# Altium PCB AGRSHUB_PCBV1.1.PcbDoc (part 1 of 2)
Units mm, origin at the board's own origin, x right, y up, seen from the top; angles counter-clockwise.
Board outline 111.76 x 87.63 mm, 2 copper layers (Top Layer, Bottom Layer); 174 components, 133 nets, 585 pads, 133 vias.
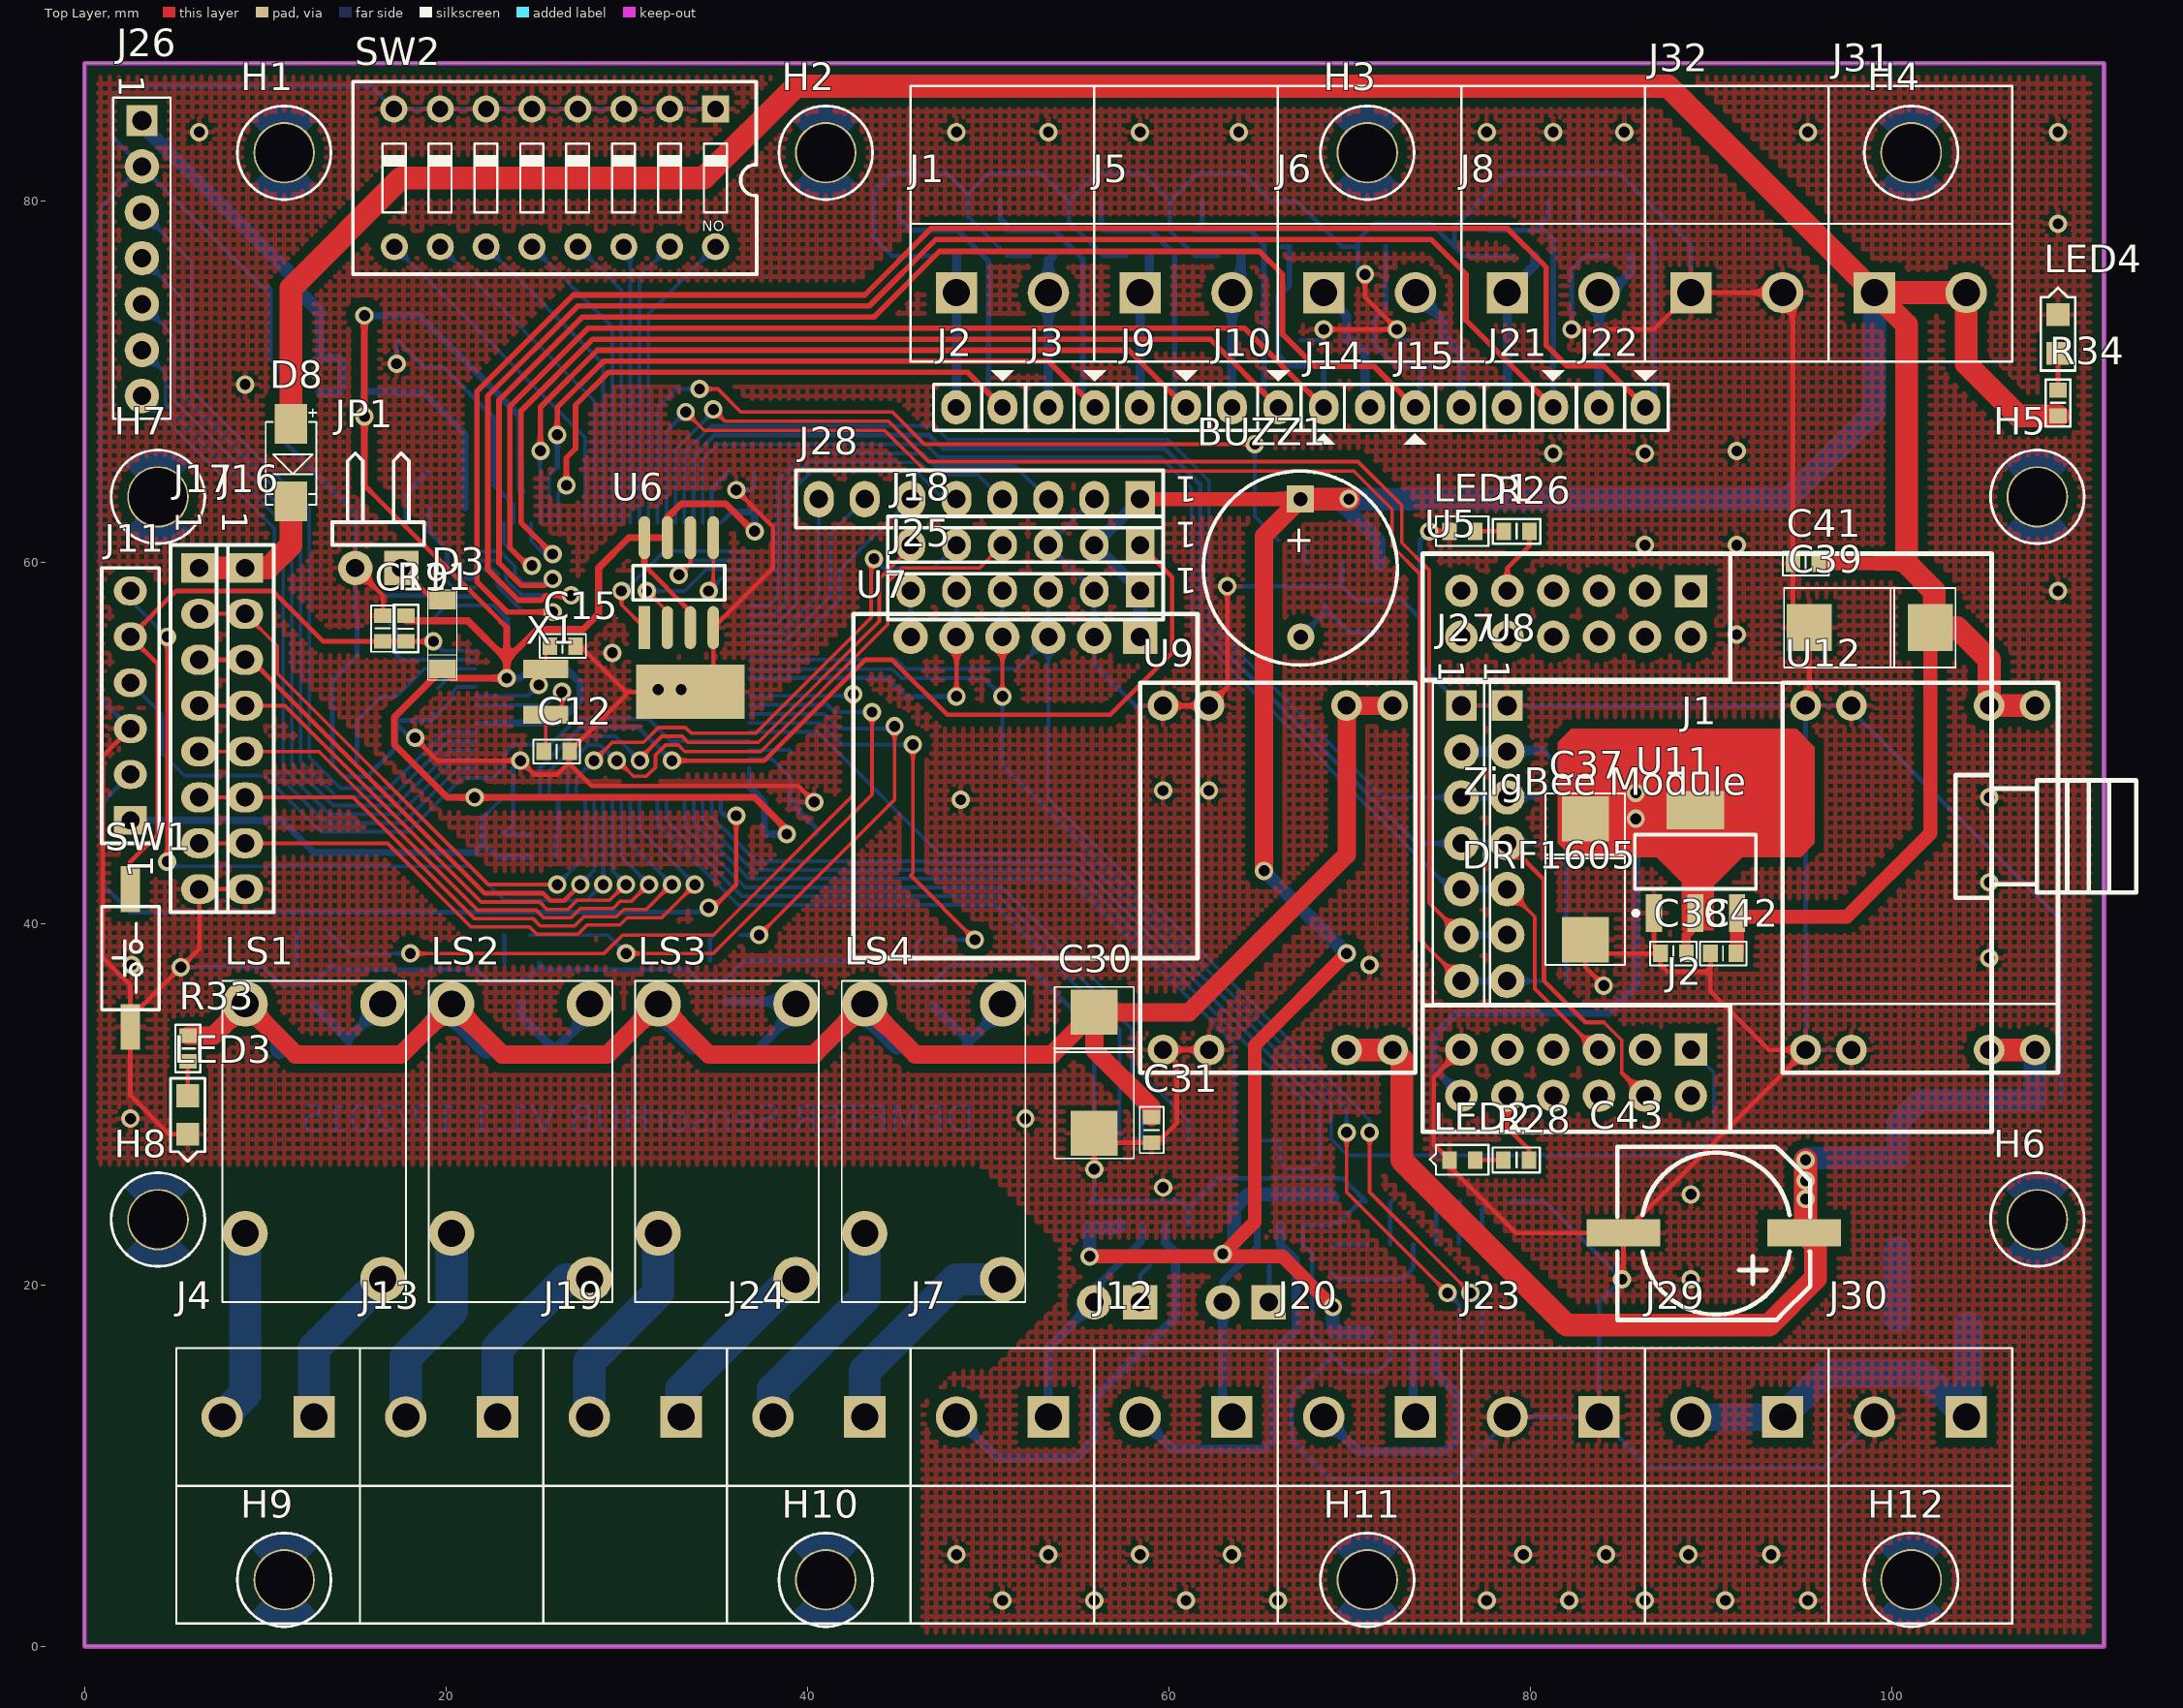
[diagram p0: Top Layer view]
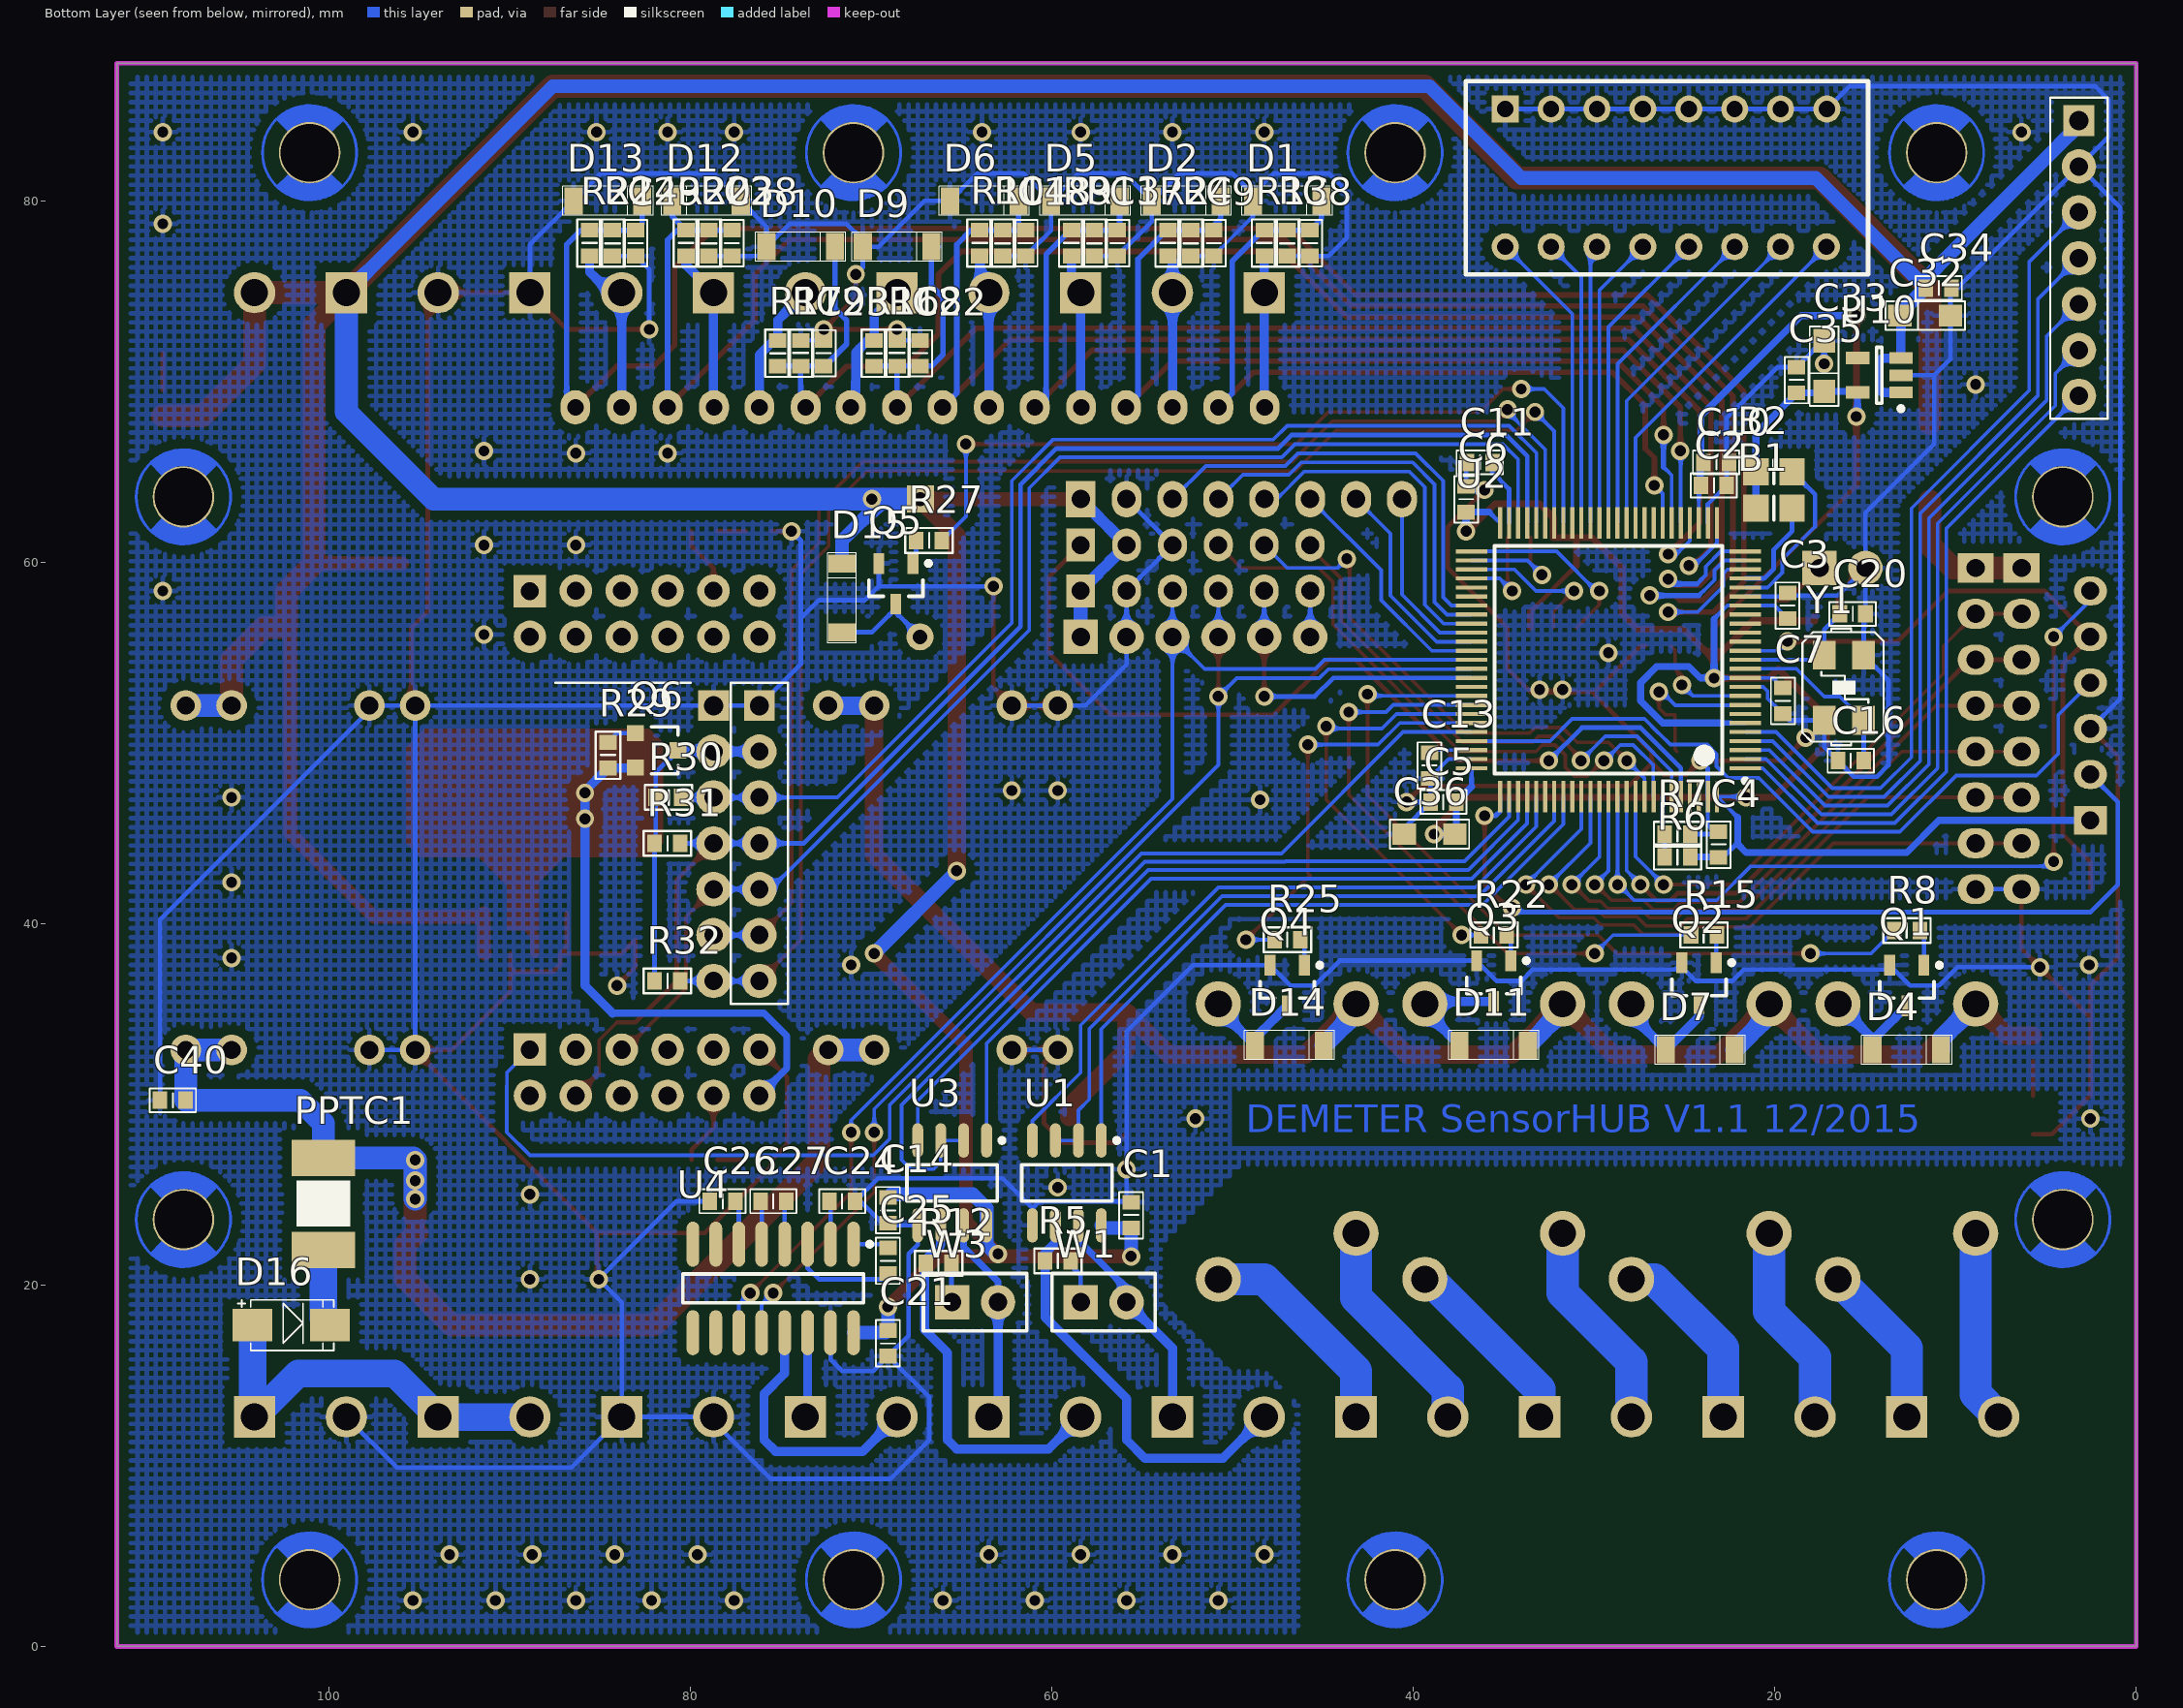
[diagram p1: Bottom Layer view, seen from below]
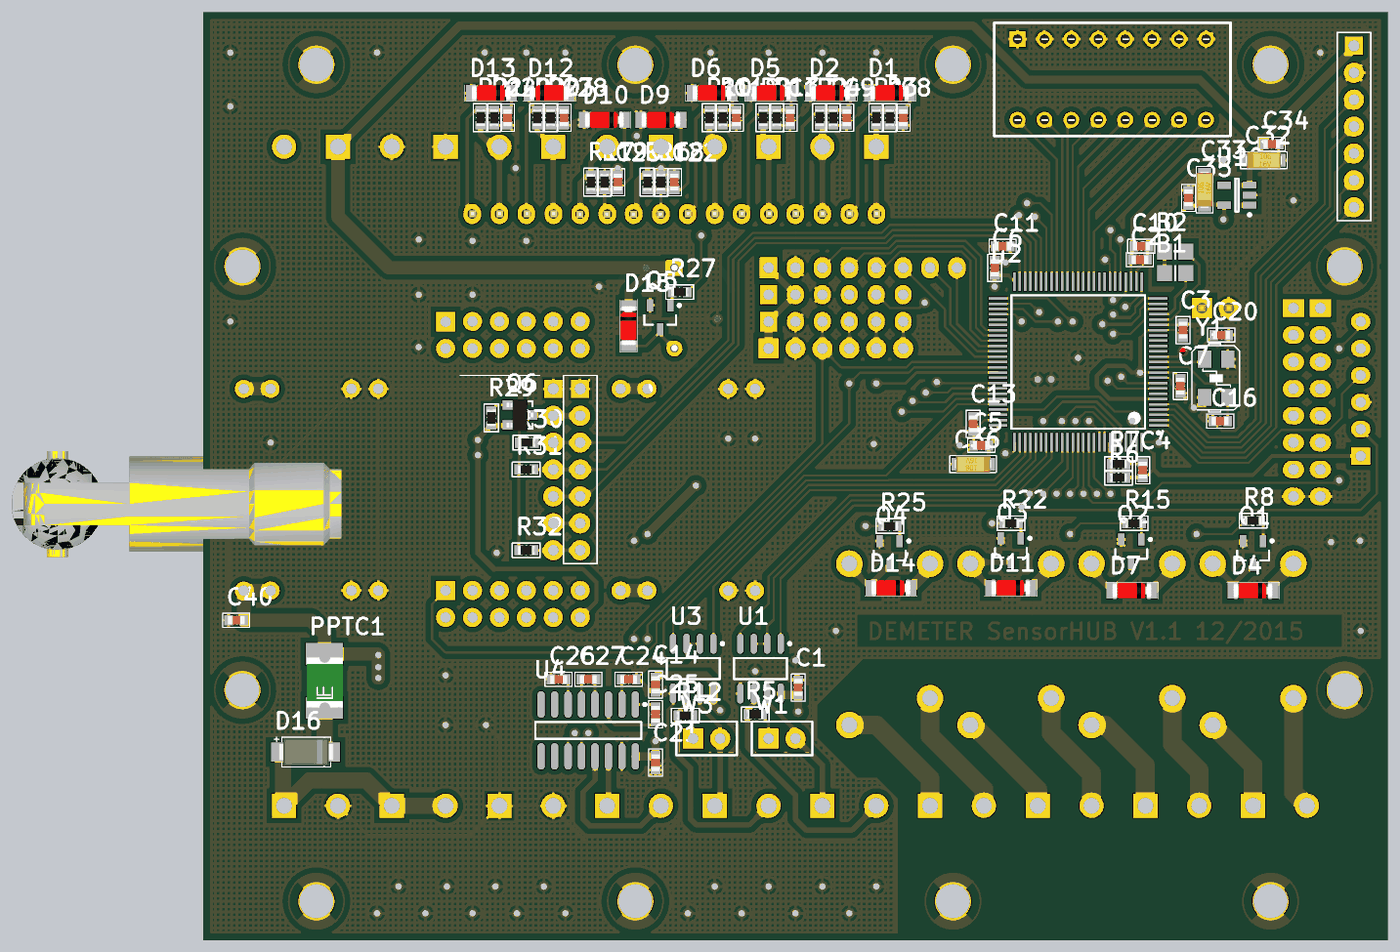
[diagram p3: 3D render of the assembled board from below, using the file's embedded part models]

## Layer stack, top to bottom
Top Solder: solder mask 0.0102, Solder Resist, Dk 3.5
Top Layer: signal copper 0.0356
Dielectric 1: dielectric 0.32, FR-4, Dk 4.8
Bottom Layer: signal copper 0.0356
Bottom Solder: solder mask 0.0102, Solder Resist, Dk 3.5

## Board outline
0,0 111.76,0 111.76,87.63 0,87.63

## Design rules (kind name [scope] priority, off if disabled: settings)
Clearance [All] p1: gap=0.254
ComponentClearance [All] p1: gap=0 collisioncheckmode=3 verticalgap=0 showdistances=FALSE
Height [All] p1: minheight=0 maxheight=254 prefheight=12.7
PolygonConnect [All] p1: connectstyle=Relief reliefconductorwidth=0.254 reliefentries=4 polygonreliefangle="90 Angle" airgapwidth=0.254
RoutingVias [All] p1: holewidth=0.61 width=1.016 viastyle="Through Hole" minholewidth=0.61 minwidth=1.016 maxholewidth=0.61 maxwidth=1.016
SolderMaskExpansion [All] p1: expansion=0.102
Width [All] p1: maxlimit=2.54 minlimit=0.203 preferedwidth=0.254
28 further rules are at their usual default settings.

## Components (designator, comment, footprint, x,y, rotation, side; value= is the part's Value field where it differs from the comment)
B1 "BEAD" 0805_M 20.05,62.992 r0 bottom
B2 "BEAD" 0805_M 20.05,65.024 r0 bottom
BUZZ1 "AC-1201A-LF" SPEAKER 67.297,63.5 r270 top
C1 "104" C0603 55.626,23.876 r270 bottom
C2 "104" C0603 23.368,64.262 r0 bottom
C3 "104" C0603 19.304,57.618 r270 bottom
C4 "104" C0603 23.114,44.385 r270 bottom
C5 "104" C0603 38.354,46.736 r180 bottom
C6 "104" C0603 37.084,63.5 r270 bottom
C7 "104" C0603 19.558,52.324 r90 bottom
C8 "103" C0603 45.72,77.662 r90 bottom
C9 "103" C0603 51.054,77.662 r90 bottom
C10 "100nF-16V-20%" C0603 23.241,65.532 r0 bottom
C11 "105" C0603 36.322,65.532 r0 bottom
C12 "10p" C0603 26.122,49.53 r0 top
C13 "105" C0603 39.116,48.768 r270 bottom
C14 "104" C0603 69.088,24.13 r90 bottom
C15 "10p" C0603 26.456,55.372 r0 top
C16 "10p" C0603 15.81,49.022 r180 bottom
C17 "103" C0603 56.388,77.662 r90 bottom
C18 "103" C0603 61.468,77.662 r90 bottom
C19 "104" C0603 16.51,56.348 r270 top
C20 "10p" C0603 15.686,57.15 r0 bottom
C21 "105" C0603 69.088,16.764 r90 bottom
C22 "103" C0603 67.31,71.588 r270 bottom
C23 "103" C0603 72.644,71.588 r270 bottom
C24 "105" C0603 71.628,24.638 r180 bottom
C25 "105" C0603 69.088,21.336 r90 bottom
C26 "105" C0603 78.232,24.638 r0 bottom
C27 "105" C0603 75.438,24.638 r180 bottom
C28 "103" C0603 77.724,77.662 r90 bottom
C29 "103" C0603 83.058,77.662 r90 bottom
C30 "100 uF" CAP_TANTA_SMD_100UF/16V 55.88,31.75 r180 top
C31 "104" C0603 59.055,28.575 r90 top
C32 "Cap_TANTA" CAP_TANTA_SMD_10UF/10V/16V 11.684,73.66 r270 bottom
C33 "10 uF" CAP_TANTA_SMD_10UF/10V/16V 17.272,70.866 r180 bottom
C34 "104" C0603 10.922,75.184 r0 bottom
C35 "104" C0603 18.796,70.104 r270 bottom
C36 "10 uF" CAP_TANTA_SMD_10UF/10V/16V 39.116,44.958 r90 bottom
C37 "10 uF" CAP_TANTA_SMD_100UF/16V 83.058,42.463 r180 top
C38 "104" C0603 87.924,38.354 r0 top
C39 "100 uF" CAP_TANTA_SMD_100UF/16V 98.806,56.388 r90 top
C40 "104" C0603 108.65,30.226 r0 bottom
C41 "104" C0603 95.25,59.944 r0 top
C42 "104" C0603 90.678,38.354 r0 top
C43 "100 uF/35V" "CAP_AL_SMD (10X10.2)" 90.17,22.86 r180 top
D1 "D Zener" DO_213AA 46.99,80.01 r180 bottom
D2 "D Zener" DO_213AA 52.578,80.01 r180 bottom
D3 "B340A" DO_213AA 19.812,56 r270 top
D4 "B340A" DO_213AA 12.7,33.02 r180 bottom
D5 "D Zener" DO_213AA 58.166,80.01 r180 bottom
D6 "D Zener" DO_213AA 63.754,80.01 r180 bottom
D7 "B340A" DO_213AA 24.13,33.02 r180 bottom
D8 "SS34" "DO-214AC (SMA)" 11.43,65.532 r270 top
D9 "D Zener" DO_213AA 68.58,77.47 r180 bottom
D10 "D Zener" DO_213AA 73.914,77.47 r180 bottom
D11 "B340A" DO_213AA 35.56,33.274 r180 bottom
D12 "D Zener" DO_213AA 79.128,80.01 r0 bottom
D13 "D Zener" DO_213AA 84.582,80.01 r180 bottom
D14 "B340A" DO_213AA 46.87,33.274 r180 bottom
D15 "SS34" DO_213AA 71.628,58.032 r90 bottom
D16 "SS34" "DO-214AC (SMA)" 102.108,17.78 r180 bottom
H1 "HOLE" DE_VIT 11.049,82.677 r0 top
H2 "HOLE" DE_VIT 41.021,82.677 r0 top
H3 "HOLE" DE_VIT 70.993,82.677 r0 top
H4 "HOLE" DE_VIT 101.092,82.677 r0 top
H5 "HOLE" DE_VIT 108.077,63.627 r0 top
H6 "HOLE" DE_VIT 108.077,23.622 r0 top
H7 "HOLE" DE_VIT 4.064,63.627 r0 top
H8 "HOLE" DE_VIT 4.064,23.622 r0 top
H9 "HOLE" DE_VIT 11.049,3.683 r0 top
H10 "HOLE" DE_VIT 41.021,3.683 r0 top
H11 "HOLE" DE_VIT 70.993,3.683 r0 top
H12 "HOLE" DE_VIT 101.092,3.683 r0 top
J1 "IN" "DOMINO BIG 2 STAND" 50.8,74.93 r0 top
J2 "Jumper 2" JP2 50.8,68.58 r180 top
J3 "Jumper 2" JP2 55.905,68.58 r180 top
J4 "OUT1" "DOMINO BIG 2 STAND" 10.16,12.7 r180 top
J5 "IN" "DOMINO BIG 2 STAND" 60.96,74.93 r0 top
J6 "IN" "DOMINO BIG 2 STAND" 71.12,74.93 r0 top
J7 "485 SLAVE" "DOMINO BIG 2 STAND" 50.8,12.7 r180 top
J8 "IN" "DOMINO BIG 2 STAND" 81.28,74.93 r0 top
J9 "Jumper 2" JP2 60.96,68.58 r180 top
J10 "Jumper 2" JP2 66.065,68.58 r180 top
J11 "ST Link" "HEADER 6" 2.54,45.72 r90 top
J12 "485 MASTER" "DOMINO BIG 2 STAND" 60.96,12.7 r180 top
J13 "OUT2" "DOMINO BIG 2 STAND" 20.32,12.7 r180 top
J14 "Jumper 2" JP2 68.58,68.58 r0 top
J15 "Jumper 2" JP2 73.635,68.58 r0 top
J16 "Header 8" "HEADER 8" 8.89,59.69 r270 top
J17 "GSM" "HEADER 8" 6.35,59.69 r270 top
J18 "DEBUG/BLE" "HEADER 6" 58.42,60.96 r180 top
J19 "OUT3" "DOMINO BIG 2 STAND" 30.48,12.7 r180 top
J20 "232" "DOMINO BIG 2 STAND" 71.12,12.7 r180 top
J21 "Jumper 2" JP2 81.28,68.58 r180 top
J22 "Jumper 2" JP2 86.385,68.58 r180 top
J23 "GND" "DOMINO BIG 2 STAND" 81.28,12.7 r180 top
J24 "OUT4" "DOMINO BIG 2 STAND" 40.64,12.7 r180 top
J25 "Header 6" "HEADER 6" 58.42,58.42 r180 top
J26 "INPUT" "HEADER 7" 3.175,84.455 r270 top
J27 "Header 7" "HEADER 7" 76.2,52.07 r270 top
J28 "LCD" "HEADER 8" 58.42,63.5 r180 top
J29 "DC IN" "DOMINO BIG 2 STAND" 91.44,12.7 r180 top
J30 "DC IN" "DOMINO BIG 2 STAND" 101.6,12.7 r180 top
J31 "5V" "DOMINO BIG 2 STAND" 101.6,74.93 r0 top
J32 "GND" "DOMINO BIG 2 STAND" 91.44,74.93 r0 top
JP1 "JP2" "Header 2-V" 17.526,59.69 r180 top
LED1 "LED1" SM/LED_0603 76.251,61.722 r180 top
LED2 "LED2" SM/LED_0603 76.251,26.924 r180 top
LED3 "12V" SM/LED_0805 5.715,29.413 r270 top
LED4 "12V" SM/LED_0805 109.22,72.644 r90 top
LS1 "RELAY SPDT 4P 5V" RELAY_4PIN_5A_12 8.89,35.56 r270 top
LS2 "RELAY SPDT 4P 5V" RELAY_4PIN_5A_12 20.32,35.56 r270 top
LS3 "RELAY SPDT 4P 5V" RELAY_4PIN_5A_12 31.75,35.56 r270 top
LS4 "RELAY SPDT 4P 5V" RELAY_4PIN_5A_12 43.18,35.56 r270 top
PPTC1 "KMC5S110-33" PTC1812 100.33,24.638 r90 bottom
Q1 "C1815" SOT-23B_N 12.7,36.576 r270 bottom
Q2 "C1815" SOT-23B_N 24.196,36.721 r270 bottom
Q3 "C1815" SOT-23B_N 35.56,36.83 r270 bottom
Q4 "C1815" SOT-23B_N 46.99,36.576 r270 bottom
Q5 "C1815" SOT-23B_N 68.646,58.819 r270 bottom
Q6 "BSS84" SOT23-3 81.883,49.596 r270 bottom
R1 "6k8" R0603 48.26,77.684 r270 bottom
R2 "6k8" R0603 53.594,77.684 r270 bottom
R3 "3k3" R0603 46.99,77.662 r90 bottom
R4 "3k3" R0603 52.324,77.662 r90 bottom
R5 "150" R0603 59.69,21.336 r180 bottom
R6 "10k" R0603 25.4,43.688 r180 bottom
R7 "220" R0603 25.4,44.958 r180 bottom
R8 "1k-5%" R0603 12.7,39.624 r180 bottom
R9 "6k8" R0603 58.928,77.684 r270 bottom
R10 "6k8" R0603 64.008,77.684 r270 bottom
R11 "10k" R0603 17.78,56.326 r90 top
R12 "150" R0603 66.294,21.209 r180 bottom
R13 "3k3" R0603 57.658,77.662 r90 bottom
R14 "3k3" R0603 62.738,77.662 r90 bottom
R15 "1k-5%" R0603 23.938,39.37 r180 bottom
R16 "6k8" R0603 69.85,71.566 r90 bottom
R17 "6k8" R0603 75.184,71.566 r90 bottom
R18 "3k3" R0603 68.58,71.588 r270 bottom
R19 "3k3" R0603 73.914,71.588 r270 bottom
R20 "6k8" R0603 80.264,77.684 r270 bottom
R21 "6k8" R0603 85.598,77.684 r270 bottom
R22 "1k-5%" R0603 35.56,39.37 r180 bottom
R23 "3k3" R0603 78.994,77.662 r90 bottom
R24 "3k3" R0603 84.328,77.662 r90 bottom
R25 "1k-5%" R0603 46.99,39.116 r180 bottom
R26 "1k-5%" R0603 79.248,61.722 r0 top
R27 "1k-1%" R0603 66.802,61.214 r0 bottom
R28 "1k-5%" R0603 79.248,26.924 r180 top
R29 "4k7" R0603 84.582,49.338 r270 bottom
R30 "10k" R0603 81.218,46.99 r0 bottom
R31 "10k" R0603 81.28,44.45 r0 bottom
R32 "10M" R0603 81.28,36.83 r0 bottom
R33 "1k-5%" R0603 5.715,33.085 r90 top
R34 "1k" R0603 109.22,68.834 r270 top
SW1 "SW 2P" "SW TACT" 2.54,38.1 r90 top
SW2 "ADDRESS" DIPSW8N 34.914,85.091 r180 top
U1 "SP485EEN" SO8_L 59.182,25.654 r270 bottom
U2 "STM32F4_LQFP100" TSQFP50P1600X1600X160-100N 29.21,54.61 r0 bottom
U3 "SP485EEN" SO8_L 65.532,25.654 r270 bottom
U4 "MAX232" SOIC16_M 75.438,19.812 r270 bottom